# Allegro board 8880F5-0825_4.brd (continued)
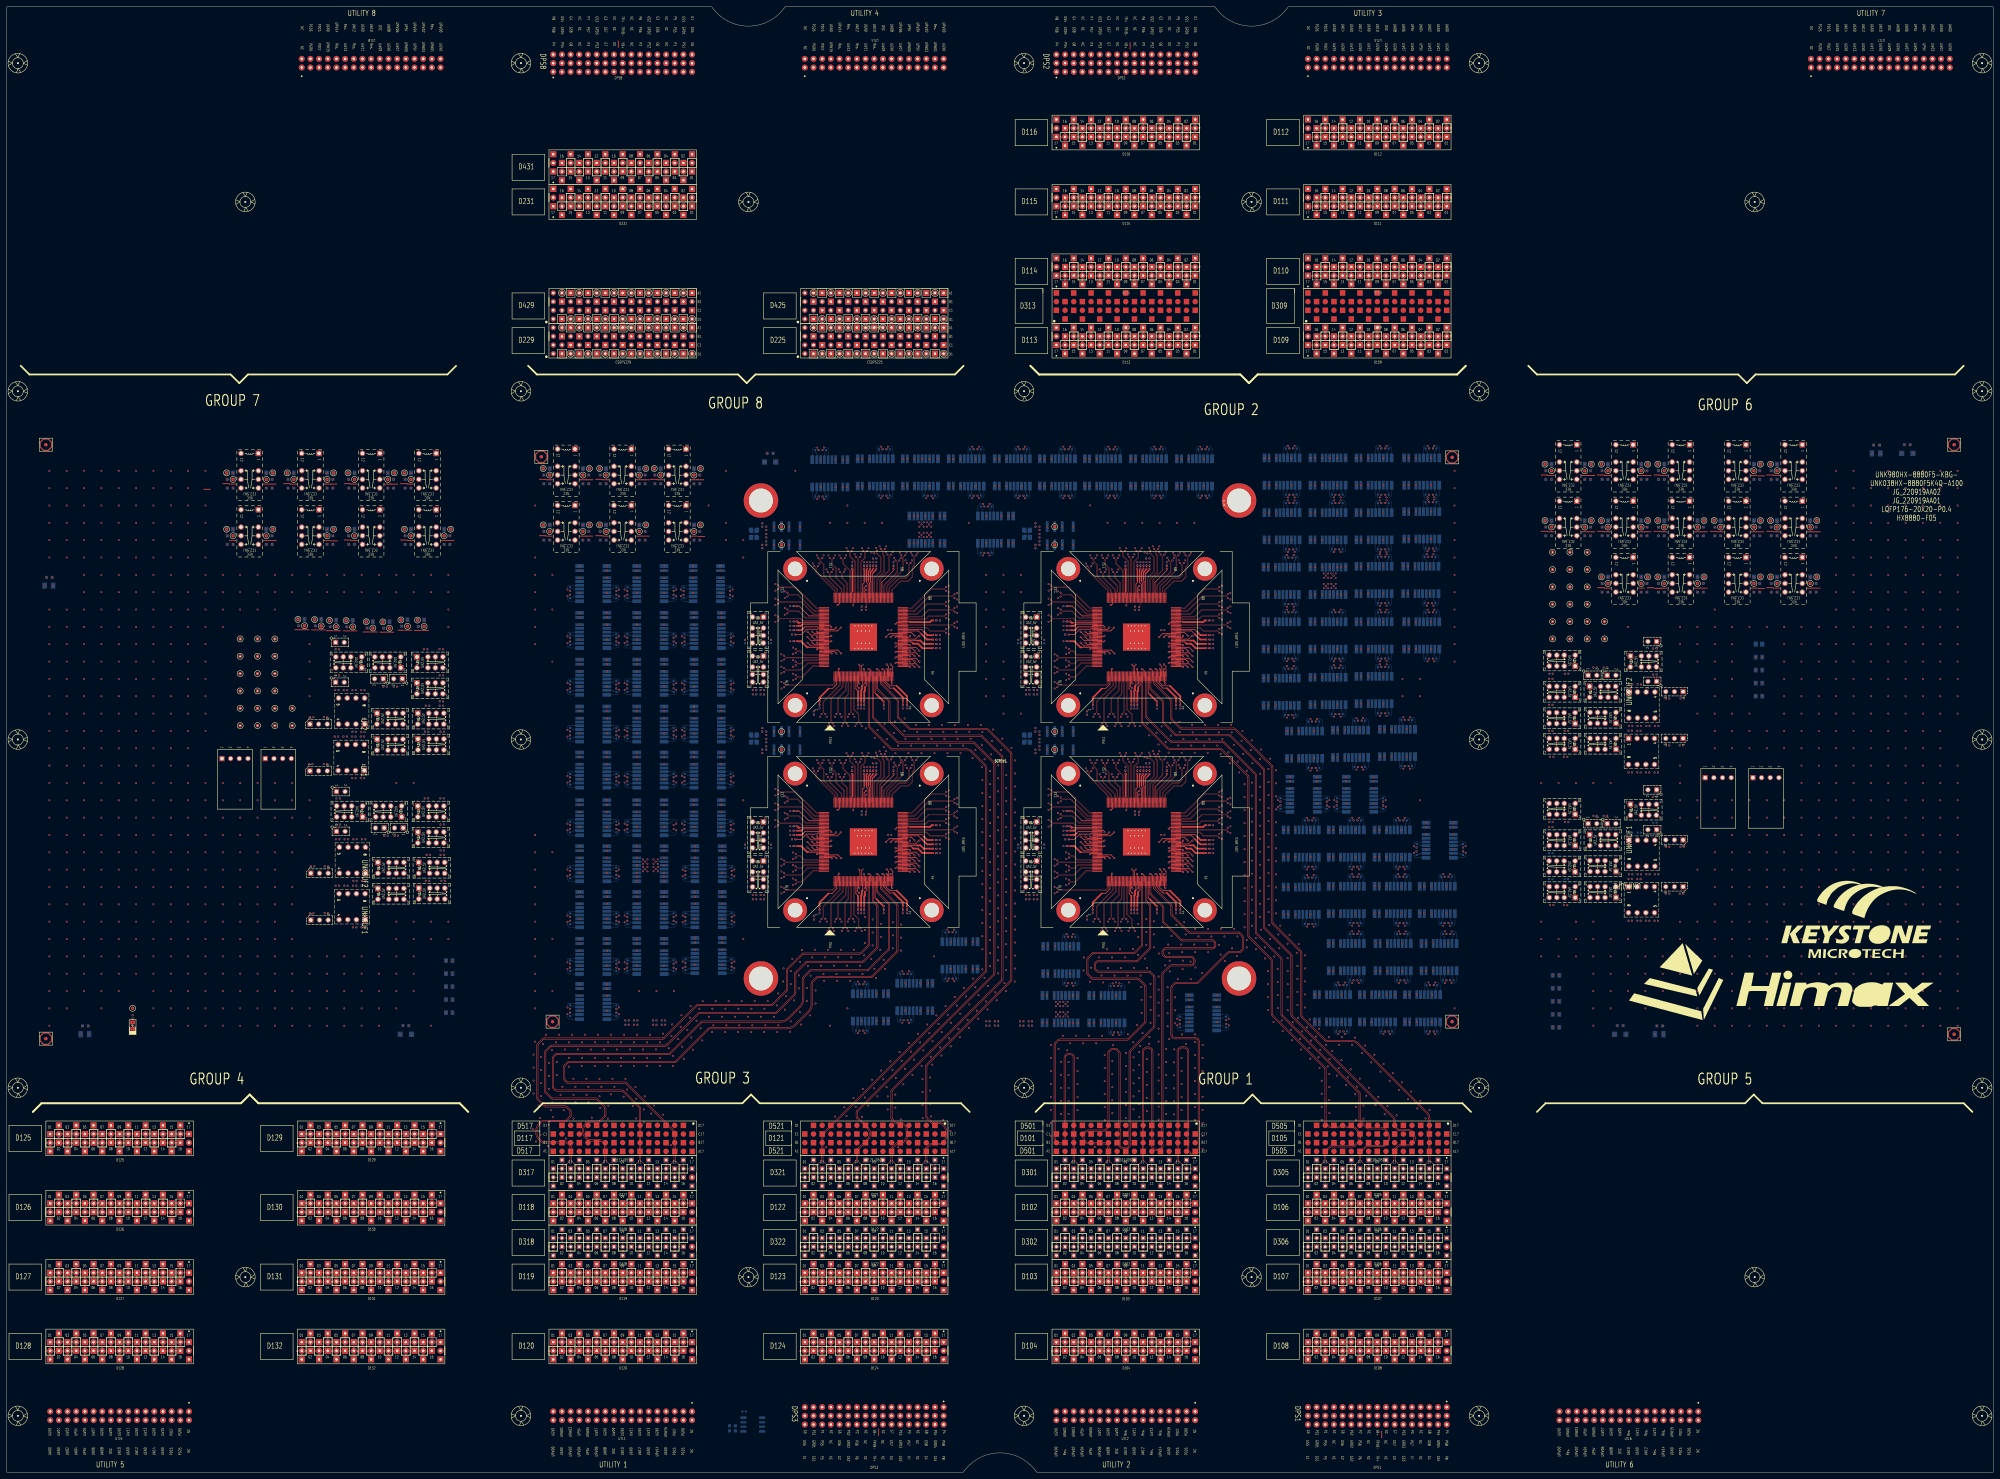
[diagram p0: board, top side]
## Routing (per net, layer and track width the routed paths; a pad name or vN(x,y) marks a point on that pad's centre or on a via; arc(x,y) is an arc through that point) (continued)
114.3,97.33 ; D129.A12 115.11,96.52 ; D129.A12 113.49,96.52 ; D129.A12 114.3,95.71 ; D305.B1 381,89.61 ; D305.B1 381,88.19 ; D305.B1 381.71,88.9 ; D305.B1 380.29,88.9 ; 251.46,39.83 D124.B8 ; D124.B8 252.27,40.64 ; D124.B8 250.65,40.64 ; D124.B8 251.46,41.45 ; 306.53,33.02 D104.A1 ; D104.A1 307.34,33.83 ; D104.A1 307.34,32.21 ; D104.A1 308.15,33.02 ; 22.05,78.74 D126.B5 ; D126.B5 22.86,77.93 ; D126.B5 23.67,78.74 ; D126.B5 22.86,79.55 ; 309.07,393.7 D116.A16 ; D116.A16 310.69,393.7 ; D116.A16 309.88,392.89 ; D116.A16 309.88,394.51 ; D302.B10 330.91,71.12 ; D302.B10 329.49,71.12 ; D302.B10 330.2,70.41 ; D302.B10 330.2,71.83 ; SITE4.G8 329.81,187.93 ; SITE4.G8 329.33,188.41 ; SITE4.G8 328.85,187.93 ; SITE4.G8 329.33,187.45 ; 49.99,76.2 D126.A16 ; D126.A16 51.61,76.2 ; D126.A16 50.8,77.01 ; D126.A16 50.8,75.39 ; 116.84,32.21 D132.A13 ; D132.A13 116.84,33.83 ; D132.A13 117.65,33.02 ; D132.A13 116.03,33.02 ; 121.11,33.02 D132.A15 ; D132.A15 121.92,32.21 ; D132.A15 122.73,33.02 ; D132.A15 121.92,33.83 ; 245.57,81.28 D122.B6 ; D122.B6 246.38,80.47 ; D122.B6 247.19,81.28 ; D122.B6 246.38,82.09 ; D122.A2 236.22,77.01 ; D122.A2 237.03,76.2 ; D122.A2 236.22,75.39 ; D122.A2 235.41,76.2 ; D110.A9 401.32,356.41 ; D110.A9 400.51,355.6 ; D110.A9 401.32,354.79 ; D110.A9 402.13,355.6 ; D127.A6 26.21,55.88 ; D127.A6 25.4,56.69 ; D127.A6 24.59,55.88 ; D127.A6 25.4,55.07 ; D107.A7 397.05,53.34 ; D107.A7 396.24,54.15 ; D107.A7 396.24,52.53 ; D107.A7 395.43,53.34 ; D302.B1 307.34,69.29 ; D302.B1 307.34,67.87 ; D302.B1 306.63,68.58 ; D302.B1 308.05,68.58 ; 177.8,90.73 D317.B8 ; D317.B8 177.09,91.44 ; D317.B8 177.8,92.15 ; D317.B8 178.51,91.44 ; DPS3.A11 259.89,13.97 ; DPS3.A11 259.08,14.78 ; DPS3.A11 258.27,13.97 ; DPS3.A11 259.08,13.16 ; 236.22,34.75 D124.A2 ; D124.A2 236.22,36.37 ; D124.A2 235.41,35.56 ; D124.A2 237.03,35.56 ; D318.B11 185.42,69.29 ; D318.B11 184.71,68.58 ; D318.B11 186.13,68.58 ; D318.B11 185.42,67.87 ; 390.35,13.97 DPS1.A05 ; DPS1.A05 391.16,14.78 ; DPS1.A05 391.97,13.97 ; DPS1.A05 391.16,13.16 ; DPS2.C11 323.39,410.21 ; DPS2.C11 321.77,410.21 ; DPS2.C11 322.58,411.02 ; DPS2.C11 322.58,409.4 ; D113.A15 313.23,335.28 ; D113.A15 311.61,335.28 ; D113.A15 312.42,336.09 ; D113.A15 312.42,334.47 ; 19.51,55.88 D127.A4 ; D127.A4 20.32,56.69 ; D127.A4 20.32,55.07 ; D127.A4 21.13,55.88 ; 192.23,332.74 CSDPS229.B4 ; CSDPS229.B4 193.85,332.74 ; CSDPS229.B4 193.04,331.93 ; CSDPS229.B4 193.04,333.55 ; D108.A7 397.05,33.02 ; D108.A7 395.43,33.02 ; D108.A7 396.24,32.21 ; D108.A7 396.24,33.83 ; DPS8.A11 175.26,416.1 ; DPS8.A11 176.07,415.29 ; DPS8.A11 174.45,415.29 ; DPS8.A11 175.26,414.48 ; D322.B2 236.22,71.83 ; D322.B2 235.51,71.12 ; D322.B2 236.93,71.12 ; D322.B2 236.22,70.41 ; 395.43,375.92 D111.A11 ; D111.A11 396.24,375.11 ; D111.A11 397.05,375.92 ; D111.A11 396.24,376.73 ; 398.78,90.73 D305.B8 ; D305.B8 398.78,92.15 ; D305.B8 398.07,91.44 ; D305.B8 399.49,91.44 ; 22.86,52.53 D127.A5 ; D127.A5 23.67,53.34 ; D127.A5 22.05,53.34 ; D127.A5 22.86,54.15 ; 182.17,91.44 D317.B10 ; D317.B10 182.88,90.73 ; D317.B10 183.59,91.44 ; D317.B10 182.88,92.15 ; D109.B11 397.05,330.2 ; D109.B11 396.24,329.39 ; D109.B11 395.43,330.2 ; D109.B11 396.24,331.01 ; 345.44,90.73 D301.B16 ; D301.B16 345.44,92.15 ; D301.B16 346.15,91.44 ; D301.B16 344.73,91.44 ; 182.88,60.15 D119.B10 ; D119.B10 182.88,61.77 ; D119.B10 182.07,60.96 ; D119.B10 183.69,60.96 ; 312.42,77.93 D102.B3 ; D102.B3 311.61,78.74 ; D102.B3 312.42,79.55 ; D102.B3 313.23,78.74 ; 309.88,65.33 D302.A2 ; D302.A2 309.17,66.04 ; D302.A2 309.88,66.75 ; D302.A2 310.59,66.04 ; 396.24,390.35 D112.B11 ; D112.B11 395.43,391.16 ; D112.B11 397.05,391.16 ; D112.B11 396.24,391.97 ; D108.B7 397.05,38.1 ; D108.B7 396.24,37.29 ; D108.B7 396.24,38.91 ; D108.B7 395.43,38.1 ; 392.89,368.3 D111.B12 ; D111.B12 393.7,367.49 ; D111.B12 393.7,369.11 ; D111.B12 394.51,368.3 ; D321.A1 234.39,83.82 ; D321.A1 233.68,84.53 ; D321.A1 232.97,83.82 ; D321.A1 233.68,83.11 ; 342.9,52.53 D103.A15 ; D103.A15 343.71,53.34 ; D103.A15 342.09,53.34 ; D103.A15 342.9,54.15 ; D128.B2 15.24,41.45 ; D128.B2 14.43,40.64 ; D128.B2 16.05,40.64 ; D128.B2 15.24,39.83 ; 327.66,349.71 D114.B9 ; D114.B9 326.85,350.52 ; D114.B9 327.66,351.33 ; D114.B9 328.47,350.52 ; 197.31,35.56 D120.A16 ; D120.A16 198.12,34.75 ; D120.A16 198.93,35.56 ; D120.A16 198.12,36.37 ; 386.08,334.47 D109.A15 ; D109.A15 386.08,336.09 ; D109.A15 386.89,335.28 ; D109.A15 385.27,335.28 ; 176.99,373.38 D231.A10 ; D231.A10 177.8,372.57 ; D231.A10 178.61,373.38 ; D231.A10 177.8,374.19 ; 344.63,55.88 D103.A16 ; D103.A16 345.44,55.07 ; D103.A16 346.25,55.88 ; D103.A16 345.44,56.69 ; D125.B3 17.78,99.87 ; D125.B3 18.59,99.06 ; D125.B3 16.97,99.06 ; D125.B3 17.78,98.25 ; SITE1.G14 250.71,242.83 ; SITE1.G14 250.23,243.31 ; SITE1.G14 249.75,242.83 ; SITE1.G14 250.23,242.35 ; 342.9,395.43 D116.A3 ; D116.A3 342.09,396.24 ; D116.A3 342.9,397.05 ; D116.A3 343.71,396.24 ; D109.B1 421.64,331.01 ; D109.B1 420.83,330.2 ; D109.B1 421.64,329.39 ; D109.B1 422.45,330.2 ; 174.55,83.82 D317.A7 ; D317.A7 175.97,83.82 ; D317.A7 175.26,84.53 ; D317.A7 175.26,83.11 ; D108.B14 414.02,41.45 ; D108.B14 413.21,40.64 ; D108.B14 414.02,39.83 ; D108.B14 414.83,40.64 ; 160.02,385.27 D431.A17 ; D431.A17 160.83,386.08 ; D431.A17 160.02,386.89 ; D431.A17 159.21,386.08 ; D318.B16 198.12,71.83 ; D318.B16 198.83,71.12 ; D318.B16 198.12,70.41 ; D318.B16 197.41,71.12 ; D317.A14 193.04,87.07 ; D317.A14 193.04,85.65 ; D317.A14 192.33,86.36 ; D317.A14 193.75,86.36 ; D119.B7 176.07,58.42 ; D119.B7 175.26,57.61 ; D119.B7 175.26,59.23 ; D119.B7 174.45,58.42 ; D112.B16 383.54,389.43 ; D112.B16 384.35,388.62 ; D112.B16 382.73,388.62 ; D112.B16 383.54,387.81 ; D130.B11 111.76,79.55 ; D130.B11 111.76,77.93 ; D130.B11 112.57,78.74 ; D130.B11 110.95,78.74 ; 25.4,60.15 D127.B6 ; D127.B6 26.21,60.96 ; D127.B6 25.4,61.77 ; D127.B6 24.59,60.96 ; 101.6,77.93 D130.B7 ; D130.B7 101.6,79.55 ; D130.B7 100.79,78.74 ; D130.B7 102.41,78.74 ; D128.A3 18.59,33.02 ; D128.A3 17.78,33.83 ; D128.A3 16.97,33.02 ; D128.A3 17.78,32.21 ; 110.95,58.42 D131.B11 ; D131.B11 111.76,59.23 ; D131.B11 112.57,58.42 ; D131.B11 111.76,57.61 ; D103.A12 336.09,55.88 ; D103.A12 334.47,55.88 ; D103.A12 335.28,55.07 ; D103.A12 335.28,56.69 ; 414.02,387.81 D112.B4 ; D112.B4 414.83,388.62 ; D112.B4 413.21,388.62 ; D112.B4 414.02,389.43 ; 331.43,245.95 SITE2.G19 ; SITE2.G19 331.91,246.43 ; SITE2.G19 330.95,246.43 ; SITE2.G19 331.43,246.91 ; D120.A9 180.34,33.83 ; D120.A9 181.15,33.02 ; D120.A9 179.53,33.02 ; D120.A9 180.34,32.21 ; D231.B6 187.96,369.11 ; D231.B6 188.77,368.3 ; D231.B6 187.15,368.3 ; D231.B6 187.96,367.49 ; 30.48,80.47 D126.B8 ; D126.B8 29.67,81.28 ; D126.B8 31.29,81.28 ; D126.B8 30.48,82.09 ; 401.32,77.93 D106.B9 ; D106.B9 400.51,78.74 ; D106.B9 401.32,79.55 ; D106.B9 402.13,78.74 ; D317.B6 173.43,91.44 ; D317.B6 172.01,91.44 ; D317.B6 172.72,90.73 ; D317.B6 172.72,92.15 ; D124.B12 261.62,41.45 ; D124.B12 261.62,39.83 ; D124.B12 260.81,40.64 ; D124.B12 262.43,40.64 ; 337.01,355.6 D114.A5 ; D114.A5 337.82,354.79 ; D114.A5 338.63,355.6 ; D114.A5 337.82,356.41 ; 252.33,180.85 SITE3.G5 ; SITE3.G5 251.85,181.33 ; SITE3.G5 252.81,181.33 ; SITE3.G5 252.33,181.81 ; D132.B10 110.03,40.64 ; D132.B10 109.22,39.83 ; D132.B10 108.41,40.64 ; D132.B10 109.22,41.45 ; 317.5,354.79 D114.A13 ; D114.A13 318.31,355.6 ; D114.A13 316.69,355.6 ; D114.A13 317.5,356.41 ; D103.B1 307.34,59.23 ; D103.B1 306.53,58.42 ; D103.B1 308.15,58.42 ; D103.B1 307.34,57.61 ; 86.36,32.21 D132.A1 ; D132.A1 86.36,33.83 ; D132.A1 85.55,33.02 ; D132.A1 87.17,33.02 ; 49.99,81.28 D126.B16 ; D126.B16 51.61,81.28 ; D126.B16 50.8,80.47 ; D126.B16 50.8,82.09 ; 40.64,60.15 D127.B12 ; D127.B12 40.64,61.77 ; D127.B12 39.83,60.96 ; D127.B12 41.45,60.96 ; 406.4,349.71 D110.B7 ; D110.B7 406.4,351.33 ; D110.B7 405.59,350.52 ; D110.B7 407.21,350.52 ; D123.A2 236.22,56.69 ; D123.A2 236.22,55.07 ; D123.A2 235.41,55.88 ; D123.A2 237.03,55.88 ; 246.38,34.75 D124.A6 ; D124.A6 246.38,36.37 ; D124.A6 247.19,35.56 ; D124.A6 245.57,35.56 ; 249.85,181.33 SITE3.G3 ; SITE3.G3 250.33,181.81 ; SITE3.G3 250.33,180.85 ; SITE3.G3 250.81,181.33 ; 255.83,71.12 D322.B10 ; D322.B10 256.54,70.41 ; D322.B10 257.25,71.12 ; D322.B10 256.54,71.83 ; D103.A14 341.17,55.88 ; D103.A14 340.36,55.07 ; D103.A14 339.55,55.88 ; D103.A14 340.36,56.69 ; D116.A15 312.42,397.05 ; D116.A15 312.42,395.43 ; D116.A15 313.23,396.24 ; D116.A15 311.61,396.24 ; 195.58,72.85 D118.A15 ; D118.A15 194.77,73.66 ; D118.A15 196.39,73.66 ; D118.A15 195.58,74.47 ; 258.27,330.2 CSDPS225.C7 ; CSDPS225.C7 259.08,331.01 ; CSDPS225.C7 259.89,330.2 ; CSDPS225.C7 259.08,329.39 ; D106.A9 401.32,74.47 ; D106.A9 401.32,72.85 ; D106.A9 400.51,73.66 ; D106.A9 402.13,73.66 ; SITE4.G14 330.71,182.83 ; SITE4.G14 329.75,182.83 ; SITE4.G14 330.23,183.31 ; SITE4.G14 330.23,182.35 ; 164.29,410.21 DPS8.C15 ; DPS8.C15 165.1,409.4 ; DPS8.C15 165.1,411.02 ; DPS8.C15 165.91,410.21 ; 406.4,395.43 D112.A7 ; D112.A7 407.21,396.24 ; D112.A7 406.4,397.05 ; D112.A7 405.59,396.24 ; 197.31,373.38 D231.A2 ; D231.A2 198.93,373.38 ; D231.A2 198.12,372.57 ; D231.A2 198.12,374.19 ; D305.B12 409.65,91.44 ; D305.B12 408.94,90.73 ; D305.B12 408.23,91.44 ; D305.B12 408.94,92.15 ; 49.99,40.64 D128.B16 ; D128.B16 51.61,40.64 ; D128.B16 50.8,41.45 ; D128.B16 50.8,39.83 ; D128.B10 35.56,41.45 ; D128.B10 34.75,40.64 ; D128.B10 36.37,40.64 ; D128.B10 35.56,39.83 ; D301.A14 340.36,87.07 ; D301.A14 339.65,86.36 ; D301.A14 340.36,85.65 ; D301.A14 341.07,86.36 ; 381,57.61 D107.B1 ; D107.B1 381,59.23 ; D107.B1 380.19,58.42 ; D107.B1 381.81,58.42 ; D321.B16 272.49,91.44 ; D321.B16 271.78,90.73 ; D321.B16 271.07,91.44 ; D321.B16 271.78,92.15 ; SITE2.G17 329.03,246.91 ; SITE2.G17 329.51,246.43 ; SITE2.G17 329.03,245.95 ; SITE2.G17 328.55,246.43 ; 27.94,57.61 D127.B7 ; D127.B7 28.75,58.42 ; D127.B7 27.94,59.23 ; D127.B7 27.13,58.42 ; D108.B1 381.81,38.1 ; D108.B1 381,37.29 ; D108.B1 380.19,38.1 ; D108.B1 381,38.91 ; 317.5,334.47 D113.A13 ; D113.A13 317.5,336.09 ; D113.A13 316.69,335.28 ; D113.A13 318.31,335.28 ; 380.19,78.74 D106.B1 ; D106.B1 381,79.55 ; D106.B1 381,77.93 ; D106.B1 381.81,78.74 ; 170.18,339.55 CSDPS429.C13 ; CSDPS429.C13 170.18,341.17 ; CSDPS429.C13 170.99,340.36 ; CSDPS429.C13 169.37,340.36 ; D118.A5 170.99,73.66 ; D118.A5 170.18,72.85 ; D118.A5 170.18,74.47 ; D118.A5 169.37,73.66 ; D104.A5 317.5,33.83 ; D104.A5 316.69,33.02 ; D104.A5 318.31,33.02 ; D104.A5 317.5,32.21 ; 398.78,70.41 D306.B8 ; D306.B8 398.07,71.12 ; D306.B8 398.78,71.83 ; D306.B8 399.49,71.12 ; 410.67,73.66 D106.A13 ; D106.A13 411.48,72.85 ; D106.A13 411.48,74.47 ; D106.A13 412.29,73.66 ; 93.98,55.07 D131.A4 ; D131.A4 93.17,55.88 ; D131.A4 94.79,55.88 ; D131.A4 93.98,56.69 ; D231.B3 195.58,371.65 ; D231.B3 194.77,370.84 ; D231.B3 196.39,370.84 ; D231.B3 195.58,370.03 ; 11.89,78.74 D126.B1 ; D126.B1 12.7,77.93 ; D126.B1 12.7,79.55 ; D126.B1 13.51,78.74 ; CSDPS429.B12 173.53,342.9 ; CSDPS429.B12 172.72,343.71 ; CSDPS429.B12 171.91,342.9 ; CSDPS429.B12 172.72,342.09 ; D120.A12 188.77,35.56 ; D120.A12 187.96,36.37 ; D120.A12 187.96,34.75 ; D120.A12 187.15,35.56 ; D128.B8 31.29,40.64 ; D128.B8 30.48,39.83 ; D128.B8 30.48,41.45 ; D128.B8 29.67,40.64 ; D119.B11 185.42,59.23 ; D119.B11 184.61,58.42 ; D119.B11 186.23,58.42 ; D119.B11 185.42,57.61 ; 174.45,53.34 D119.A7 ; D119.A7 176.07,53.34 ; D119.A7 175.26,52.53 ; D119.A7 175.26,54.15 ; 250.95,182.83 SITE3.G15 ; SITE3.G15 251.43,183.31 ; SITE3.G15 251.43,182.35 ; SITE3.G15 251.91,182.83 ; 403.05,60.96 D107.B10 ; D107.B10 403.86,61.77 ; D107.B10 404.67,60.96 ; D107.B10 403.86,60.15 ; D111.A13 391.97,375.92 ; D111.A13 391.16,376.73 ; D111.A13 390.35,375.92 ; D111.A13 391.16,375.11 ; 251.33,187.45 SITE3.G10 ; SITE3.G10 251.33,188.41 ; SITE3.G10 250.85,187.93 ; SITE3.G10 251.81,187.93 ; D103.B8 325.12,61.77 ; D103.B8 325.12,60.15 ; D103.B8 325.93,60.96 ; D103.B8 324.31,60.96 ; 419.1,34.75 D108.A16 ; D108.A16 418.29,35.56 ; D108.A16 419.91,35.56 ; D108.A16 419.1,36.37 ; 235.51,86.36 D321.A2 ; D321.A2 236.22,87.07 ; D321.A2 236.22,85.65 ; D321.A2 236.93,86.36 ; 15.24,100.79 D125.B2 ; D125.B2 16.05,101.6 ; D125.B2 15.24,102.41 ; D125.B2 14.43,101.6 ; 324.31,332.74 D113.A10 ; D113.A10 325.12,333.55 ; D113.A10 325.12,331.93 ; D113.A10 325.93,332.74 ; 184.61,386.08 D431.A7 ; D431.A7 185.42,386.89 ; D431.A7 185.42,385.27 ; D431.A7 186.23,386.08 ; D102.B7 322.58,79.55 ; D102.B7 323.39,78.74 ; D102.B7 322.58,77.93 ; D102.B7 321.77,78.74 ; D322.B15 269.95,68.58 ; D322.B15 269.24,67.87 ; D322.B15 269.24,69.29 ; D322.B15 268.53,68.58 ; 14.43,96.52 D125.A2 ; D125.A2 15.24,95.71 ; D125.A2 15.24,97.33 ; D125.A2 16.05,96.52 ; SITE4.G3 330.33,181.81 ; SITE4.G3 330.33,180.85 ; SITE4.G3 330.81,181.33 ; SITE4.G3 329.85,181.33 ; SITE4.G9 330.33,188.41 ; SITE4.G9 329.85,187.93 ; SITE4.G9 330.81,187.93 ; SITE4.G9 330.33,187.45 ; D301.A1 308.05,83.82 ; D301.A1 307.34,84.53 ; D301.A1 306.63,83.82 ; D301.A1 307.34,83.11 ; D126.B3 18.59,78.74 ; D126.B3 16.97,78.74 ; D126.B3 17.78,77.93 ; D126.B3 17.78,79.55 ; D322.A4 241.3,66.75 ; D322.A4 242.01,66.04 ; D322.A4 241.3,65.33 ; D322.A4 240.59,66.04 ; 391.16,354.79 D110.A13 ; D110.A13 391.97,355.6 ; D110.A13 391.16,356.41 ; D110.A13 390.35,355.6 ; 250.85,181.33 SITE3.G4 ; SITE3.G4 251.81,181.33 ; SITE3.G4 251.33,181.81 ; SITE3.G4 251.33,180.85 ; D109.A6 408.94,333.55 ; D109.A6 408.94,331.93 ; D109.A6 408.13,332.74 ; D109.A6 409.75,332.74 ; D104.A3 313.23,33.02 ; D104.A3 311.61,33.02 ; D104.A3 312.42,32.21 ; D104.A3 312.42,33.83 ; D109.B4 414.83,327.66 ; D109.B4 413.21,327.66 ; D109.B4 414.02,326.85 ; D109.B4 414.02,328.47 ; D114.B16 309.88,348.79 ; D114.B16 309.88,347.17 ; D114.B16 310.69,347.98 ; D114.B16 309.07,347.98 ; 248.55,246.43 SITE1.G17 ; SITE1.G17 249.03,246.91 ; SITE1.G17 249.51,246.43 ; SITE1.G17 249.03,245.95 ; D321.B4 242.01,91.44 ; D321.B4 241.3,92.15 ; D321.B4 240.59,91.44 ; D321.B4 241.3,90.73 ; UNK4U1.4 483.53,185.11 ; UNK4U1.4 482.59,184.17 ; UNK4U1.4 481.65,185.11 ; UNK4U1.4 482.59,186.05 ; 185.42,339.55 CSDPS429.C7 ; CSDPS429.C7 184.61,340.36 ; CSDPS429.C7 186.23,340.36 ; CSDPS429.C7 185.42,341.17 ; D124.B16 271.78,41.45 ; D124.B16 271.78,39.83 ; D124.B16 272.59,40.64 ; D124.B16 270.97,40.64 ; 328.55,242.83 SITE2.G13 ; SITE2.G13 329.51,242.83 ; SITE2.G13 329.03,243.31 ; SITE2.G13 329.03,242.35 ; D111.B8 404.67,368.3 ; D111.B8 403.86,369.11 ; D111.B8 403.05,368.3 ; D111.B8 403.86,367.49 ; 119.38,55.07 D131.A14 ; D131.A14 120.19,55.88 ; D131.A14 119.38,56.69 ; D131.A14 118.57,55.88 ; D305.A6 394.41,86.36 ; D305.A6 393.7,87.07 ; D305.A6 393.7,85.65 ; D305.A6 392.99,86.36 ; D107.A9 401.32,54.15 ; D107.A9 401.32,52.53 ; D107.A9 402.13,53.34 ; D107.A9 400.51,53.34 ; D113.A12 320.04,333.55 ; D113.A12 319.23,332.74 ; D113.A12 320.04,331.93 ; D113.A12 320.85,332.74 ; D114.B2 346.25,347.98 ; D114.B2 345.44,348.79 ; D114.B2 345.44,347.17 ; D114.B2 344.63,347.98 ; 166.83,60.96 D119.B4 ; D119.B4 168.45,60.96 ; D119.B4 167.64,61.77 ; D119.B4 167.64,60.15 ; D431.B6 188.77,378.46 ; D431.B6 187.96,379.27 ; D431.B6 187.96,377.65 ; D431.B6 187.15,378.46 ; 25.4,34.75 D128.A6 ; D128.A6 24.59,35.56 ; D128.A6 26.21,35.56 ; D128.A6 25.4,36.37 ; D306.B12 408.94,71.83 ; D306.B12 409.65,71.12 ; D306.B12 408.23,71.12 ; D306.B12 408.94,70.41 ; 243.03,38.1 D124.B5 ; D124.B5 243.84,37.29 ; D124.B5 243.84,38.91 ; D124.B5 244.65,38.1 ; D322.A12 261.62,66.75 ; D322.A12 261.62,65.33 ; D322.A12 262.33,66.04 ; D322.A12 260.91,66.04 ; D132.B11 112.57,38.1 ; D132.B11 110.95,38.1 ; D132.B11 111.76,38.91 ; D132.B11 111.76,37.29 ; D126.B9 33.02,79.55 ; D126.B9 33.02,77.93 ; D126.B9 32.21,78.74 ; D126.B9 33.83,78.74 ; 322.58,370.03 D115.B11 ; D115.B11 321.77,370.84 ; D115.B11 322.58,371.65 ; D115.B11 323.39,370.84 ; CSDPS229.B12 172.72,333.55 ; CSDPS229.B12 171.91,332.74 ; CSDPS229.B12 172.72,331.93 ; CSDPS229.B12 173.53,332.74 ; SITE4.G5 332.81,181.33 ; SITE4.G5 331.85,181.33 ; SITE4.G5 332.33,181.81 ; SITE4.G5 332.33,180.85 ; D125.A14 46.53,96.52 ; D125.A14 45.72,95.71 ; D125.A14 45.72,97.33 ; D125.A14 44.91,96.52 ; 91.44,93.17 D129.A3 ; D129.A3 91.44,94.79 ; D129.A3 90.63,93.98 ; D129.A3 92.25,93.98 ; 116.84,37.29 D132.B13 ; D132.B13 116.84,38.91 ; D132.B13 116.03,38.1 ; D132.B13 117.65,38.1 ; 161.75,81.28 D118.B2 ; D118.B2 162.56,82.09 ; D118.B2 163.37,81.28 ; D118.B2 162.56,80.47 ; D115.B13 318.31,370.84 ; D115.B13 317.5,370.03 ; D115.B13 316.69,370.84 ; D115.B13 317.5,371.65 ; SITE1.G20 253.11,246.43 ; SITE1.G20 252.63,246.91 ; SITE1.G20 252.63,245.95 ; SITE1.G20 252.15,246.43 ; 328.33,187.45 SITE4.G7 ; SITE4.G7 327.85,187.93 ; SITE4.G7 328.33,188.41 ; SITE4.G7 328.81,187.93 ; 27.13,38.1 D128.B7 ; D128.B7 27.94,38.91 ; D128.B7 27.94,37.29 ; D128.B7 28.75,38.1 ; 261.62,90.73 D321.B12 ; D321.B12 262.33,91.44 ; D321.B12 261.62,92.15 ; D321.B12 260.91,91.44 ; D231.A13 170.99,375.92 ; D231.A13 170.18,376.73 ; D231.A13 169.37,375.92 ; D231.A13 170.18,375.11 ; D231.B12 172.72,369.11 ; D231.B12 173.53,368.3 ; D231.B12 172.72,367.49 ; D231.B12 171.91,368.3 ; 385.27,53.34 D107.A3 ; D107.A3 386.89,53.34 ; D107.A3 386.08,52.53 ; D107.A3 386.08,54.15 ; 330.33,240.85 SITE2.G3 ; SITE2.G3 330.81,241.33 ; SITE2.G3 330.33,241.81 ; SITE2.G3 329.85,241.33 ; SITE1.G18 250.71,246.43 ; SITE1.G18 250.23,246.91 ; SITE1.G18 250.23,245.95 ; SITE1.G18 249.75,246.43 ; D130.B12 115.11,81.28 ; D130.B12 113.49,81.28 ; D130.B12 114.3,80.47 ; D130.B12 114.3,82.09 ; CSDPS225.C1 275.13,330.2 ; CSDPS225.C1 273.51,330.2 ; CSDPS225.C1 274.32,329.39 ; CSDPS225.C1 274.32,331.01 ; D110.A2 419.1,353.87 ; D110.A2 418.29,353.06 ; D110.A2 419.91,353.06 ; D110.A2 419.1,352.25 ; 121.92,93.17 D129.A15 ; D129.A15 121.11,93.98 ; D129.A15 122.73,93.98 ; D129.A15 121.92,94.79 ; 264.16,67.87 D322.B13 ; D322.B13 264.16,69.29 ; D322.B13 263.45,68.58 ; D322.B13 264.87,68.58 ; 170.18,52.53 D119.A5 ; D119.A5 170.18,54.15 ; D119.A5 169.37,53.34 ; D119.A5 170.99,53.34 ; 109.22,34.75 D132.A10 ; D132.A10 109.22,36.37 ; D132.A10 108.41,35.56 ; D132.A10 110.03,35.56 ; D322.A5 244.55,63.5 ; D322.A5 243.13,63.5 ; D322.A5 243.84,64.21 ; D322.A5 243.84,62.79 ; CSDPS425.B14 241.3,343.71 ; CSDPS425.B14 242.11,342.9 ; CSDPS425.B14 240.49,342.9 ; CSDPS425.B14 241.3,342.09 ; 331.93,53.34 D103.A11 ; D103.A11 332.74,54.15 ; D103.A11 333.55,53.34 ; D103.A11 332.74,52.53 ; 518.92,202.51 S4_I2C.4 ; S4_I2C.4 519.86,203.45 ; S4_I2C.4 517.98,203.45 ; S4_I2C.4 518.92,204.39 ; D115.A8 331.01,373.38 ; D115.A8 330.2,372.57 ; D115.A8 330.2,374.19 ; D115.A8 329.39,373.38 ; 411.48,354.79 D110.A5 ; D110.A5 412.29,355.6 ; D110.A5 410.67,355.6 ; D110.A5 411.48,356.41 ; 243.84,77.93 D122.B5 ; D122.B5 243.03,78.74 ; D122.B5 243.84,79.55 ; D122.B5 244.65,78.74 ; 121.11,73.66 D130.A15 ; D130.A15 122.73,73.66 ; D130.A15 121.92,74.47 ; D130.A15 121.92,72.85 ; D110.B16 383.54,348.79 ; D110.B16 382.73,347.98 ; D110.B16 383.54,347.17 ; D110.B16 384.35,347.98 ; D123.B13 264.16,59.23 ; D123.B13 264.16,57.61 ; D123.B13 264.97,58.42 ; D123.B13 263.35,58.42 ; 401.32,67.87 D306.B9 ; D306.B9 402.03,68.58 ; D306.B9 400.61,68.58 ; D306.B9 401.32,69.29 ; CSDPS425.C5 264.97,340.36 ; CSDPS425.C5 264.16,341.17 ; CSDPS425.C5 264.16,339.55 ; CSDPS425.C5 263.35,340.36 ; 322.58,354.79 D114.A11 ; D114.A11 323.39,355.6 ; D114.A11 321.77,355.6 ; D114.A11 322.58,356.41 ; D104.B11 333.55,38.1 ; D104.B11 331.93,38.1 ; D104.B11 332.74,38.91 ; D104.B11 332.74,37.29 ; 111.76,93.17 D129.A11 ; D129.A11 111.76,94.79 ; D129.A11 112.57,93.98 ; D129.A11 110.95,93.98 ; D118.A16 198.12,77.01 ; D118.A16 198.93,76.2 ; D118.A16 197.31,76.2 ; D118.A16 198.12,75.39 ; 253.33,240.85 SITE1.G6 ; SITE1.G6 253.33,241.81 ; SITE1.G6 253.81,241.33 ; SITE1.G6 252.85,241.33 ; D128.B9 33.02,38.91 ; D128.B9 33.02,37.29 ; D128.B9 32.21,38.1 ; D128.B9 33.83,38.1 ; SITE3.G12 253.33,188.41 ; SITE3.G12 253.81,187.93 ; SITE3.G12 252.85,187.93 ; SITE3.G12 253.33,187.45 ; D104.A13 338.63,33.02 ; D104.A13 337.01,33.02 ; D104.A13 337.82,32.21 ; D104.A13 337.82,33.83 ; 324.31,81.28 D102.B8 ; D102.B8 325.93,81.28 ; D102.B8 325.12,82.09 ; D102.B8 325.12,80.47 ; 347.98,349.71 D114.B1 ; D114.B1 347.98,351.33 ; D114.B1 347.17,350.52 ; D114.B1 348.79,350.52 